# Altium PCB radxa_cm3s_io_board_V1510.PcbDoc (part 3 of 4) (continued)
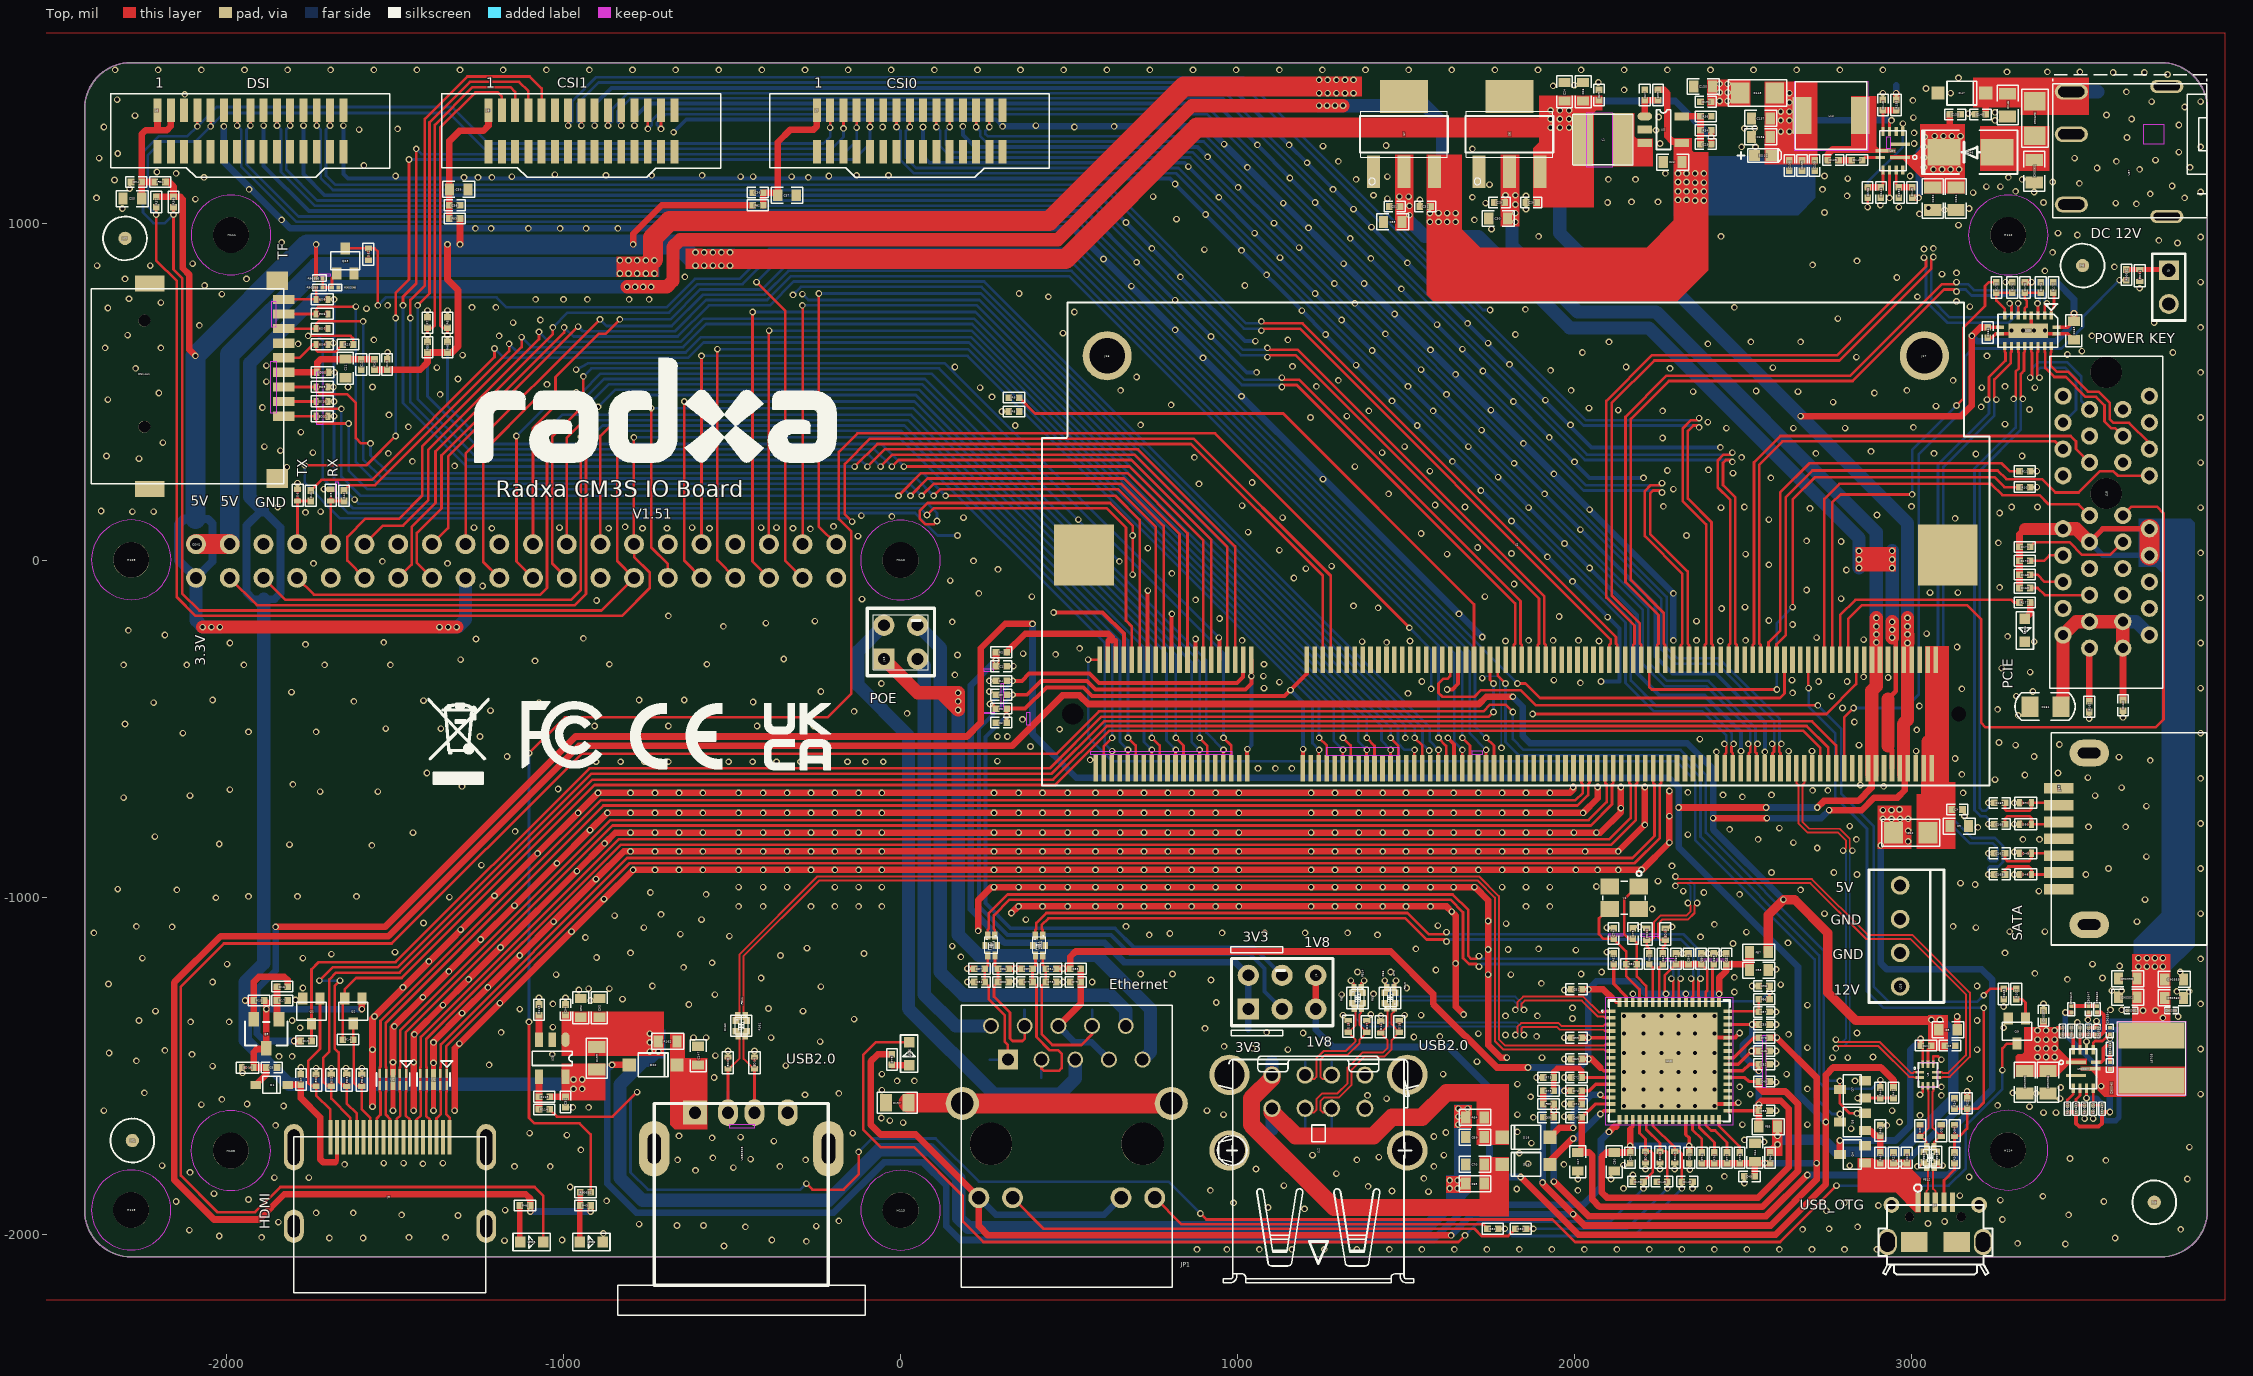
[diagram p0: Top view]
## Nets (pads, with @x,y where several pads share a name; then routed paths per layer and width w, separated by ;. In a path a pad name is that pad's centre, name@x,y a point inside that pad or via, vN(x,y) a via of type N, cw(c..) or ccw(c..) an arc to the next point about the centre after c; other vN are vias at no path point) (continued)
  Top w7.87: R107.1@3311.02,-1303.15 3328.74,-1303.15 3338.58,-1312.99 Q9.1@3338.58,-1360.24
N18131064: ED14.1 FB11.3 P11.1 R161.2 USB2503.3 | length 347.9
  Top w5.91: FB11.3@-460.63,-1411.42 -465.55,-1411.42 -465.55,-1480.31 -441.81,-1504.06 ED14.1@-433.07,-1509.84
  Top w7.87: FB11.3@-460.63,-1411.42 -460.63,-1402.78 -456.69,-1398.85 R161.2@-456.69,-1397.64 ; USB2503.3@-433.07,-1651.57 ED14.1@-433.07,-1509.84
  Bottom w7.87: USB2503.3@-433.07,-1651.57 P11.1@-433.07,-1578.74
N18131066: ED13.1 FB11.2 P10.1 R160.2 USB2503.2 | length 349.7
  Top w5.91: ED13.1@-511.81,-1509.84 -503.07,-1504.06 -478.35,-1479.33 -478.35,-1456.69 -478.35,-1413.39 -482.28,-1409.45 FB11.2@-482.28,-1411.42
  Top w7.87: USB2503.2@-511.81,-1651.57 ED13.1@-511.81,-1509.84 ; R160.2@-488.19,-1397.64 -482.28,-1403.54 -482.28,-1407.35 FB11.2@-482.28,-1411.42
  Bottom w7.87: USB2503.2@-511.81,-1651.57 P10.1@-511.81,-1578.74
N18133617: FB12.1 J4.3 P18.1 R19.1 | length 181.9
  Top w5.91: J4.3@3070.87,-1905.51 3070.87,-1872.05 3063.98,-1865.16 3063.98,-1802.84 FB12.1@3067.2,-1799.61 ; R19.1@3074.8,-1787.4 3070.87,-1791.34 3070.87,-1795.95 FB12.1@3067.2,-1799.61 ; v1(3092.52,-1797.24) 3086.56,-1800.98 3067.68,-1799.13 FB12.1@3067.2,-1799.61
  Top w7.87: FB12.1@3067.32,-1800.39 3085.97,-1800.39 v1@3086.56,-1800.98
  Bottom w5.91: P18.1@3088.58,-1789.37 P18.1@3092.52,-1791.34
  Bottom w7.87: v1(3092.52,-1797.24) P18.1@3092.52,-1791.34
N18193262: C90350.2 R90620.1 R90621.1 R90624.1 U90007.11 | length 191.6
  Top w7.87: U90007.11@3500,-1452.75 R90624.1@3500,-1407.48
  Top w11.81: R90624.1@3500,-1407.48 R90621.1@3525.59,-1407.48 C90350.2@3551.18,-1407.48 3562.99,-1407.48 3570.87,-1399.61 3570.87,-1350.39 3562.99,-1342.52 R90620.1@3551.18,-1342.52
N18193266: R90618.1 R90622.1 U90007.12 | length 73.3
  Top w9.84: R90622.1@3474.41,-1407.48 3480.31,-1413.38 U90007.12@3480.31,-1452.75
  Top w11.81: R90618.1@3448.82,-1407.48 R90622.1@3474.41,-1407.48
N18193316: C90347.2 R90619.1 R90620.2 | length 76.8
  Top w11.81: R90619.1@3474.41,-1322.83 C90347.2@3525.59,-1322.83 R90620.2@3551.18,-1322.83
N18193318: C90345.2 L8705.1 R90619.2 U90007.7 | length 280.3
  Top w11.81: v1(3456.69,-1342.52) R90619.2@3474.41,-1342.52
  Bottom w15.75: v1(3456.69,-1342.52) 3456.69,-1407.48 3562.99,-1513.78 v1(3562.99,-1561.02)
N18193332: R90616.2 U90007.8 | length 82.5
  Top w9.84: U90007.8@3547.24,-1490.15 3562.99,-1490.15 3568.89,-1484.25 3568.89,-1448.82 3576.77,-1440.94 R90616.2@3588.58,-1440.94
N18193336: C90345.1 R90616.1 | length 29.5
  Top w11.81: C90345.1@3588.58,-1490.16 R90616.1@3588.58,-1460.63
N18193602: R90625.2 U90007.3 | length 58.5
  Top w7.87: R90625.2@3462.6,-1618.11 3462.6,-1602.36 3480.31,-1584.65 U90007.3@3480.31,-1566.93
N18193630: R90626.2 R90627.2 U90007.6 | length 76.8
  Top w7.87: U90007.6@3539.37,-1566.93 R90626.2@3539.37,-1618.11 R90627.2@3564.96,-1618.11
N18193656: R90628.2 R90629.2 U90007.4 | length 81.7
  Top w7.87: U90007.4@3500,-1566.93 3500,-1588.58 3488.19,-1600.4 R90628.2@3488.19,-1618.11 R90629.2@3513.78,-1618.11
N18198457: Q23.1 R90396.1 R90398.1 R90399.2 | length 102.2
  Top w7.87: R90396.1@-1714.57,836.61 R90399.2@-1714.57,809.06 R90398.1@-1687.01,809.06 -1687.01,836.62 Q23.1@-1673.23,850.4
N18204497: C90361.1 D46.1 R90630.1
N18209917: ED21.1 J9.1 R90632.1 | length 126.8
  Top w15.75: R90632.1@3637.8,862.2 ED21.1@3677.17,862.2 3761.81,862.2 J9.1@3763.78,860.24
N18210283: LED3.1 R46.2 | length 108.7
  Top w15.75: R46.2@-1129.92,-1915.35 -1129.92,-2022.33 LED3.1@-1128.68,-2023.57
N18210289: LED2.1 R43.2 R90631.2 | length 147.9
  Top w15.75: LED2.1@-951.52,-2023.57 -951.52,-1916.08 R43.2@-950.79,-1915.35 R90631.2@-950.79,-1875.98
N18210610: LED4.1 R177.2 | length 55
  Top w19.68: LED4.1@3336.67,-174.47 3352.36,-158.77 R177.2@3352.36,-125.98
N19132698: C7.1 D1.2 J3.18 | length 409.3
  Top w7.87: J3.18@-1672.37,-1724.07 J3.18@-1672.37,-1712.26
  Top w11.81: -1678.27,-1787.4 -1672.37,-1781.5 J3.18@-1672.37,-1724.07
  Top w19.68: D1.2@-1818.9,-1557.09 C7.1@-1779.53,-1557.09 -1779.53,-1596.46 -1722.44,-1653.54 -1722.44,-1777.56 -1712.6,-1787.4 -1678.27,-1787.4
N19658373: CN14A1.5 ED8.1 R25.2 | length 218.1
  Top w7.87: CN14A1.5@-1830.09,600.39 -1783.46,600.39 -1744.09,639.76 ED8.1@-1734.25,639.76 -1734.25,624.02 -1728.35,618.11 -1677.17,618.11 R25.2@-1655.51,639.76
NFDX_LED: C150.1 ED17.1 LED1.2 U10.20 | length 3179.2
  Top w7.87: LED1.2@25.65,-1430.37 -72.83,-1430.37 -110.97,-1468.5 -110.97,-1690.21 -59.06,-1742.13 39.37,-1742.13 185.04,-1887.8 185.04,-1962.6 246.06,-2023.62 1655.51,-2023.62 v1(1675.2,-2003.94) ; U10.20@2192.92,-1659.74 2192.92,-1700.79 2210.63,-1718.5 ED17.1@2210.63,-1753.94 2226.38,-1753.94 2232.28,-1759.84 2232.28,-1816.93 C150.1@2204.72,-1844.49 v1(2204.72,-1864.17)
  Bottom w7.87: v1(1675.2,-2003.94) 1716.54,-1962.6 2106.3,-1962.6 v1(2204.72,-1864.17)
NLNKA_LED: C149.1 ED16.1 R80.1 U10.21 | length 709.9
  Top w7.87: R80.1@1856.3,-1984.25 v1(1877.95,-1984.25) ; U10.21@2212.6,-1659.74 2212.6,-1688.98 2253.94,-1730.32 ED16.1@2253.94,-1753.94 2271.65,-1753.94 2275.59,-1757.87 C149.1@2275.59,-1844.49 v1(2275.59,-1864.17)
  Bottom w7.87: v1(1877.95,-1984.25) 2155.51,-1984.25 v1(2275.59,-1864.17)
NSPD_LED: C148.1 ED15.1 R82.1 U10.22 | length 861.3
  Top w7.87: R82.1@1773.62,-1984.25 v1(1793.31,-1984.25) ; U10.22@2232.29,-1659.74 2232.29,-1677.17 2297.24,-1742.13 ED15.1@2297.24,-1753.94 2311.02,-1753.94 2318.9,-1761.81 C148.1@2318.9,-1844.49 v1(2318.9,-1864.17)
  Bottom w7.87: v1(1793.31,-1984.25) 1814.96,-2005.91 2177.17,-2005.91 v1(2318.9,-1864.17)
PCIE20_CLKREQN_M2: J2.160 J18.B12 | length 1663.6
  Top w7.87: J2.160@2599.61,-295.28 2599.61,-250 2627.17,-222.44 2627.17,187.01 2705.91,265.75 3255.91,265.75 3281.5,240.16 3387.8,240.16 3427.17,200.79 3496.06,200.79 3559.06,263.78 3598.82,263.78 3612.2,250.39 J18.B12@3705.91,250.39
PCIE20_PERSTN: J2.172 J18.A11 | length 1321.5
  Top w7.87: J2.172@2741.34,-295.28 2741.34,181.1 2786.61,226.38 3236.22,226.38 3269.69,192.91 3379.92,192.91 3407.48,165.35 3495.67,165.35 J18.A11@3528.74,132.28
PCIE20_REFCLKN: J2.156 J18.A14 | length 1520
  Top w7.87: J2.156@2552.36,-295.28 2552.36,-251.97 2548.43,-248.03 2548.43,283.35 2617.43,352.36 3426.77,352.36 J18.A14@3450,329.13
PCIE20_REFCLKP: J2.154 J18.A13 | length 1660.6
  Top w7.87: J2.154@2528.74,-295.28 2528.74,-251.97 2532.68,-248.03 2532.68,289.88 2610.91,368.11 3472.44,368.11 3488.19,352.36 3488.19,330.32 J18.A13@3528.74,289.76
PCIE20_RXN: J2.126 U39.7 | length 2409
  Top w7.87: J2.126@2198.03,-295.28 2198.03,-251.97 2194.09,-248.03 2194.09,-188.19 2110.24,-104.33 2110.24,465.92 2236.84,592.52 2786.73,592.52 3059.06,864.85 3059.06,893.7 v1(3064.96,899.61) ; v1(3291.34,761.81) 3296.85,756.3 U39.7@3296.85,725.98
  Bottom w7.87: v1(3064.96,899.61) 3059.06,893.7 3059.06,774.24 3112.82,720.47 3281.5,720.47 3296.26,735.24 3296.26,756.89 v1(3291.34,761.81)
PCIE20_RXN_1: J18.A17 U39.15 | length 405.6
  Top w7.87: v1(3352.36,541.34) 3357.87,546.85 3357.87,616.14 3355.91,618.11 U39.15@3355.91,635.43
  Bottom w7.87: v1(3352.36,541.34) 3358.27,547.24 3358.27,568.9 3375.98,586.61 3462.6,586.61 3503.94,545.28 3503.94,472.05 J18.A17@3528.74,447.24
PCIE20_RXP: J2.124 U39.6 | length 2455.9
  Top w7.87: J2.124@2174.41,-295.28 2174.41,-251.97 2178.35,-248.03 2178.35,-194.71 2094.49,-110.85 2094.49,472.44 2230.32,608.27 2780.2,608.27 3043.31,871.37 3043.31,891.73 v1(3037.4,897.64) ; U39.6@3316.54,725.98 3316.54,761.42 v1(3316.93,761.81)
  Bottom w7.87: v1(3037.4,897.64) 3043.31,891.73 3043.31,767.72 3106.3,704.72 3289.37,704.72 3312.01,727.36 3312.01,756.89 v1(3316.93,761.81)
PCIE20_RXP_1: J18.A16 U39.16 | length 398.7
  Top w7.87: U39.16@3375.59,635.43 3375.59,618.11 3373.62,616.14 3373.62,547.64 v1(3379.92,541.34)
  Bottom w7.87: v1(3379.92,541.34) 3374.02,547.24 3374.02,562.37 3382.51,570.87 3456.08,570.87 3488.19,538.75 3488.19,446.06 J18.A16@3450,407.87
PCIE20_TXN: J2.132 U39.3 | length 2199.2
  Top w7.87: J2.132@2268.9,-295.28 2268.9,-251.97 2264.96,-248.03 2264.96,-156.69 2167.32,-59.06 2167.32,418.67 2280.15,531.5 2825.42,531.5 3097.07,803.15 3127.95,803.15 v1(3133.86,797.24) ; v1(3374.02,761.81) 3375.59,760.24 U39.3@3375.59,725.98
  Bottom w7.87: v1(3133.86,797.24) 3139.76,803.15 3160.8,803.15 3178.52,785.43 3374.02,785.43 3379.92,779.53 3379.92,767.72 v1(3374.02,761.81)
PCIE20_TXN_1: J18.B15 U39.17 | length 407.6
  Top w7.87: U39.17@3395.28,635.43 3395.28,618.11 3397.24,616.14 3397.24,570.25 3424.19,543.31 3458.04,543.31 3517.1,484.25 3547.92,484.25 3572.83,459.34 3572.83,411.42 3592.52,391.73 3603.94,391.73 J18.B15@3627.17,368.5
PCIE20_TXP: J2.130 U39.2 | length 2258.2
  Top w7.87: J2.130@2245.28,-295.28 2245.28,-251.97 2249.21,-248.03 2249.21,-163.22 2151.57,-65.58 2151.57,425.2 2273.62,547.24 2818.9,547.24 3090.55,818.9 3127.95,818.9 v1(3133.86,824.8) ; U39.2@3395.28,725.98 3395.28,755.91 3403.15,761.81 v1(3401.57,761.81)
  Bottom w7.87: v1(3133.86,824.8) 3139.76,818.9 3167.32,818.9 3185.04,801.18 3383.86,801.18 3395.67,789.37 3395.67,767.72 v1(3401.57,761.81)
PCIE20_TXP_1: J18.B14 U39.18 | length 493.6
  Top w7.87: U39.18@3414.96,635.43 3414.96,618.11 3412.99,616.14 3412.99,576.77 3430.71,559.06 3464.57,559.06 3523.62,500 3554.44,500 3588.58,465.86 3588.58,417.94 3599.04,407.48 3645.67,407.48 3705.91,347.24 J18.B14@3705.91,329.13
PCIE20_WAKEN_M2: J2.178 J18.B11 | length 2164.1
  Top w7.87: J2.178@2812.2,-295.28 2812.2,-175.2 2853.54,-133.86 3165.35,-133.86 3206.69,-175.2 3206.69,-482.28 3220.47,-496.06 3724.41,-496.06 3748.03,-472.44 3748.03,138.98 3728.35,158.66 3653.54,158.66 J18.B11@3627.17,132.28
PCIE_EN_L: J2.174 R175.1 | length 1459
  Top w7.87: J2.174@2764.96,-295.28 2764.96,170.47 2789.37,194.88 v1(3001.97,194.88) ; v1(3133.86,458.66) 3153.54,478.35 3153.54,688.98 3218.5,753.94 3218.5,812.99 3230.31,824.8 R175.1@3251.97,824.8
  Bottom w7.87: v1(3001.97,194.88) 3001.97,326.77 v1(3133.86,458.66)
PDM_CLK1_M1: CON1.15 J2.75 | length 4272
  Top w7.87: CON1.15@-1390.55,-52.76 -1435.04,-8.27 -1435.04,80.71 -1362.2,153.54 -1362.2,311.02 -998.03,675.2 v1(-998.03,690.94) ; J2.75@1595.67,-618.11 1595.67,-563.78 v1(1596.46,-562.99)
  Bottom w7.87: v1(-998.03,690.94) -970.47,663.39 -661.42,663.39 -568.9,755.91 -387.8,755.91 -316.93,826.77 248.03,826.77 1570.87,-496.06 1570.87,-537.4 v1(1596.46,-562.99)
PDM_SDI2_M1: CON1.36 J2.57 | length 3019.8
  Top w7.87: CON1.36@-390.55,47.24 -390.55,677.17 v1(-389.76,681.1) ; J2.57@1383.07,-618.11 1383.07,-563.78 v1(1383.86,-562.99)
  Bottom w7.87: v1(-389.76,681.1) 210.63,681.1 1358.27,-466.54 1358.27,-537.4 v1(1383.86,-562.99)
PDM_SDI3_M1: CON1.11 J2.59 | length 4199.5
  Top w7.87: CON1.11@-1590.55,-52.76 -1641.73,-1.57 -1641.73,68.9 -1587.6,123.03 -1487.2,123.03 -1419.29,190.94 -1419.29,336.61 -1124.02,631.89 v1(-1124.02,661.42) ; v1(1383.86,-527.56) 1383.86,-528.35 1406.69,-551.18 J2.59@1406.69,-618.11
  Bottom w7.87: v1(-1124.02,661.42) -1094.49,631.89 -645.67,631.89 -576.77,700.79 212.6,700.79 1383.86,-470.47 v1(1383.86,-527.56)
PHY_3V3: C44.1 C45.1 C46.1 FB4.2 JP1.11 JP1.13 R70.2 R72.1 R74.2 R76.2 R77.2 R78.2 R79.1 U10.40 | length 5412.8
  Top w7.87: C44.1@2535.43,-1785.43 2535.43,-1789.26 C44.1@2535.55,-1789.37
  Top w9.84: U10.40@2455.02,-1496.06 2486.22,-1496.06 v1(2525.59,-1456.69)
  Top w19.68: R79.1@-25.59,-1466.54 -66.93,-1466.54 -88.58,-1488.19 -88.58,-1675.2 -59.06,-1704.72 45.08,-1704.72 JP1.11@232.48,-1892.13 232.48,-1976.57 259.84,-2003.94 v1(1633.86,-2003.94) ; v1(1905.51,-1846.46) 1905.51,-1850.39 v1(1996.06,-1940.94) 2029.53,-1974.41 2582.68,-1974.41 2718.5,-1838.58 v1(2718.5,-1789.37) 2718.5,-1535.43 v1(2600.39,-1417.32) R70.2@2578.74,-1417.32 ; v1(1970.47,-1574.8) R72.1@1990.16,-1574.8 ; R74.2@2377.95,-1789.37 R76.2@2415.35,-1789.37 R78.2@2490.16,-1789.37 ; R77.2@2452.76,-1789.37 R78.2@2490.16,-1789.37 ; v1(2525.59,-1456.69) C46.1@2547.24,-1456.69 ; C45.1@2535.43,-1828.74 2535.43,-1789.48 C44.1@2535.55,-1789.37 ; FB4.2@2580.71,-1789.37 v1(2564.96,-1789.37) C44.1@2535.55,-1789.37 ; R78.2@2490.16,-1789.37 C44.1@2535.55,-1789.37
  Bottom w19.68: JP1.11@232.48,-1892.13 283.27,-1942.91 603.74,-1942.91 JP1.13@654.53,-1892.13 ; v1(1633.86,-2003.94) 1696.85,-1940.94 v1(1996.06,-1940.94) ; v1(1905.51,-1846.46) 1905.51,-1602.36 1933.07,-1574.8 v1(1970.47,-1574.8) ; v1(2525.59,-1456.69) 2564.96,-1417.32 v1(2600.39,-1417.32) ; v1(2564.96,-1789.37) v1(2718.5,-1789.37)
PHY_RXN: C78.1 FB10.3 JP1.6 R84.2 TP21.1 | length 544.8
  Top w7.87: FB10.3@422.24,-1172.83 422.24,-1201.77 431.1,-1210.63 R84.2@431.1,-1212.6 C78.1@431.1,-1248.03 ; C78.1@431.1,-1251.97 C78.1@431.1,-1248.03 ; JP1.6@568.5,-1382.28 568.5,-1407.09 536.61,-1438.98 450.79,-1438.98 419.29,-1407.48 419.29,-1261.81 431.1,-1250 C78.1@431.1,-1248.03
  Bottom w7.87: JP1.6@568.5,-1382.28 568.5,-1407.09 568.5,-1375.98 568.9,-1375.59 TP21.1@568.9,-1334.65
PHY_RXP: C79.1 FB10.2 JP1.3 R85.2 TP20.1 | length 537.3
  Top w7.87: C79.1@391.73,-1251.97 C79.1@392.72,-1250.98 ; FB10.2@400.59,-1172.83 400.59,-1203.74 R85.2@391.73,-1212.6 391.73,-1250 C79.1@392.72,-1250.98 ; JP1.3@418.5,-1482.28 418.5,-1509.06 425.2,-1515.75 470.47,-1515.75 478.35,-1507.87 478.35,-1464.57 468.5,-1454.72 442.91,-1454.72 403.54,-1415.35 403.54,-1261.81 C79.1@392.72,-1250.98
  Bottom w7.87: TP20.1@417.32,-1535.43 417.32,-1508.27 418.5,-1507.09 JP1.3@418.5,-1482.28
PHY_TXN: C80.1 FB9.3 JP1.2 R86.2 TP19.1 | length 460.1
  Top w7.87: FB9.3@280.51,-1172.83 280.51,-1203.74 R86.2@289.37,-1212.6 C80.1@289.37,-1251.97 277.56,-1263.78 277.56,-1295.28 324.8,-1342.52 324.8,-1419.29 332.68,-1427.17 362.2,-1427.17 368.5,-1420.87 JP1.2@368.5,-1382.28
  Bottom w7.87: TP19.1@368.11,-1334.65 368.11,-1406.69 368.5,-1407.09 JP1.2@368.5,-1382.28
PHY_TXP: C81.1 FB9.2 JP1.1 R87.2 TP18.1 | length 394.1
  Top w7.87: FB9.2@258.86,-1172.83 258.86,-1203.74 R87.2@250,-1212.6 C81.1@250,-1251.97 261.81,-1263.78 261.81,-1303.15 309.06,-1350.39 309.06,-1429.13 318.5,-1438.98 JP1.1@318.5,-1482.28
  Bottom w7.87: TP18.1@265.75,-1482.28 JP1.1@318.5,-1482.28
PMW0_M0: CON1.32 J2.45 | length 3005.3
  Top w7.87: CON1.32@-590.55,47.24 v1(-590.55,606.3) ; J2.45@1241.34,-618.11 1241.34,-563.78 v1(1242.13,-562.99)
  Bottom w7.87: v1(-590.55,606.3) 198.82,606.3 1222.44,-417.32 1222.44,-543.31 v1(1242.13,-562.99)
PMW0_M1: J2.84 R9.2 | length 1767.9
  Top w7.87: R9.2@352.36,482.28 399.61,435.04 1135.83,435.04 1701.97,-131.1 J2.84@1701.97,-295.28
POWER2: C69.1 D18.2 J12.1 R64.2 TP14.1 | length 913.8
  Top w7.87: C69.1@1732.28,-1712.6 1732.28,-1702.76 1755.91,-1679.13
  Top w51.18: J12.1@1102.36,-1638.58 1172.44,-1708.66 1403.54,-1708.66 1458.66,-1653.54 1547.24,-1653.54 1620.08,-1580.71 1732.28,-1580.71 1755.91,-1604.33 1755.91,-1679.13
  Bottom w39.37: TP14.1@1102.36,-1688.98 J12.1@1102.36,-1638.58
POWER3: C70.1 D19.2 J12.5 R65.2 TP15.1 | length 1178.8
  Top w7.87: 1744.09,-1822.83 1773.62,-1793.31 D19.2@1785.43,-1793.31
  Top w51.18: J12.5@1102.36,-1528.35 1102.36,-1537.4 1041.34,-1598.43 1041.34,-1675.2 1287.4,-1921.26 1744.09,-1921.26 1744.09,-1822.83
  Bottom w39.37: J12.5@1102.36,-1540.16 TP15.1@1102.36,-1490.16
POWER4: C147.2 D20.2 P9.1 R162.1 USB2503.1 | length 84.6
  Bottom w39.37: USB2503.1@-610.24,-1639.76 -610.24,-1651.57 P9.1@-610.24,-1578.74
PRTCTL2: D18.1 U10.14 | length 261.6
  Top w9.84: v1(2076.77,-1586.61) 2084.65,-1594.49 U10.14@2107.98,-1594.49
  Top w19.68: D18.1@1927.17,-1712.6 1954.73,-1685.04 v1(1996.06,-1685.04)
  Bottom w19.68: v1(1996.06,-1685.04) 1996.06,-1641.73 2051.18,-1586.61 v1(2076.77,-1586.61)
PRTCTL3: D19.1 U10.16 | length 252.6
  Top w9.84: v1(2076.77,-1643.7) 2086.61,-1633.86 U10.16@2107.98,-1633.86
  Top w19.68: D19.1@1927.17,-1793.31 1927.17,-1783.46 1994.09,-1716.54 v1(1996.06,-1716.54)
  Bottom w19.68: v1(1996.06,-1716.54) 2003.94,-1716.54 v1(2076.77,-1643.7)
PRTCTL4: D20.1 U10.17 | length 3913.7
  Top w9.84: 2124.02,-1681.1 2133.86,-1671.26 U10.17@2133.86,-1659.74
  Top w19.68: v1(-856.3,-1498.03) D20.1@-805.12,-1498.03 ; v1(2102.36,-1696.85) 2118.11,-1681.1 2124.02,-1681.1
  Bottom w19.68: v1(-856.3,-1498.03) -870.08,-1511.81 -870.08,-1850.39 -783.46,-1937.01 -198.82,-1937.01 -49.21,-1787.4 66.93,-1787.4 135.83,-1856.3 135.83,-1976.38 177.17,-2017.72 1580.71,-2017.72 1685.04,-1913.39 2025.59,-1913.39 2078.74,-1860.24 2078.74,-1720.47 v1(2102.36,-1696.85)
PWM11: CON1.33 J2.47 | length 3129.6
  Top w7.87: v1(-543.31,625.98) -543.31,0 CON1.33@-490.55,-52.76 ; v1(1242.13,-527.56) 1264.96,-550.39 J2.47@1264.96,-618.11
  Bottom w7.87: v1(-543.31,625.98) 200.79,625.98 1242.13,-415.35 v1(1242.13,-527.56)
PWRON_KEY: J2.177 R90632.2 | length 2051
  Top w7.87: J2.177@2800.39,-618.11 2800.39,-466.54 2827.95,-438.98 v1(2828.74,-438.98) ; v1(3618.11,830.71) R90632.2@3637.8,830.71
  Bottom w7.87: v1(2828.74,-438.98) 2982.28,-438.98 3021.65,-399.61 3021.65,312.99 3159.45,450.79 3159.45,604.33 3183.07,627.95 3444.88,627.95 3509.84,692.91 3509.84,722.44 v1(3618.11,830.71)
RECOVERY: J2.2 P21.1 Q8.3 | length 3348.1
  Top w7.87: v1(557.09,-295.28) J2.2@591.73,-295.28 ; Q8.3@2787.4,-1667.32 v1(2787.4,-1643.7)
  Bottom w7.87: v1(557.09,-295.28) 557.09,-525.59 627.95,-596.46 2301.18,-596.46 2358.27,-653.54 2358.27,-830.71 2712.6,-1185.04 2712.6,-1592.52 2763.78,-1643.7 v1(2787.4,-1643.7) P21.1@2787.4,-1667.32
RJ45_5: J13.2 JP1.5 | length 1906.6
  Bottom w39.37: J13.2@-49.21,-193.31 -125.98,-270.08 -125.98,-372.05 23.62,-521.65 23.62,-1330.71 277.56,-1584.65 472.44,-1584.65 518.5,-1538.58 JP1.5@518.5,-1482.28
RJ45_8: J13.1 JP1.8 | length 1700.8
  Bottom w39.37: J13.1@50.79,-193.31 118.11,-260.63 118.11,-1222.44 187.01,-1291.34 624.02,-1291.34 668.5,-1335.83 JP1.8@668.5,-1382.28
RXN: FB10.4 U10.53 | length 2176.7
  Top w7.87: FB10.4@421.85,-1114.57 421.85,-1097.44 418.9,-1094.49 418.9,-1083.29 439.2,-1062.99 1498.03,-1062.99 1561.02,-1125.98 1614.17,-1125.98 v1(1620.08,-1131.89) ; v1(2346.46,-1242.13) 2352.36,-1248.03 2352.36,-1293.31 2350.4,-1295.28 U10.53@2350.4,-1312.7
  Bottom w7.87: v1(1620.08,-1131.89) 1625.98,-1125.98 2316.31,-1125.98 2352.36,-1162.03 2352.36,-1236.22 v1(2346.46,-1242.13)
RXP: FB10.1 U10.52 | length 2228.8
  Top w7.87: FB10.1@400.2,-1114.57 400.2,-1097.44 403.15,-1094.49 403.15,-1076.77 432.68,-1047.24 1504.55,-1047.24 1567.55,-1110.24 1614.17,-1110.24 v1(1620.08,-1104.33) ; U10.52@2370.08,-1312.7 2370.08,-1295.28 2368.11,-1293.31 2368.11,-1248.03 v1(2374.02,-1242.13)
  Bottom w7.87: v1(1620.08,-1104.33) 1625.98,-1110.24 2322.83,-1110.24 2368.11,-1155.51 2368.11,-1236.22 v1(2374.02,-1242.13)
SATA1_ACT_LED: J2.176 R177.1 | length 686.2
  Top w7.87: J2.176@2788.58,-295.28 2788.58,-163.39 2833.86,-118.11 3297.24,-118.11 3305.12,-125.98 R177.1@3320.87,-125.98
SATA1_RXN: C167.1 U39.11 | length 1794
  Top w7.87: v1(3224.41,476.38) 3230.32,482.28 3230.32,543.03 3279.13,591.84 3279.13,616.14 3277.17,618.11 U39.11@3277.17,635.43 ; v1(3228.35,-870.08) C167.1@3246.06,-870.08
  Bottom w7.87: v1(3224.41,476.38) 3230.32,470.47 3230.32,435.04 3078.74,283.46 3078.74,-746.06 3173.23,-840.55 3241.51,-840.55 3255.91,-854.95 3255.91,-889.15 3251.35,-893.7 3234.25,-893.7 3228.35,-887.8 v1(3228.35,-870.08)
SATA1_RXP: C168.1 U39.12 | length 1821.2
  Top w7.87: v1(3228.35,-933.07) C168.1@3246.06,-933.07 ; v1(3251.97,476.38) 3246.06,482.28 3246.06,536.5 3294.88,585.32 3294.88,616.14 3296.85,618.11 U39.12@3296.85,635.43
  Bottom w7.87: v1(3228.35,-933.07) 3228.35,-913.39 3232.28,-909.45 3257.87,-909.45 3271.65,-895.67 3271.65,-848.43 3248.03,-824.8 3179.75,-824.8 3094.49,-739.54 3094.49,276.94 3246.06,428.52 3246.06,470.47 v1(3251.97,476.38)
SATA1_TXN: C166.1 U39.13 | length 1523.1
  Top w7.87: v1(3228.35,-783.46) C166.1@3246.06,-783.46 ; v1(3303.15,478.35) 3309.06,484.25 3309.06,559.45 3318.5,568.9 3318.5,616.14 3316.54,618.11 U39.13@3316.54,635.43
  Bottom w7.87: v1(3228.35,-783.46) 3228.35,-767.72 3220.47,-759.84 3204.72,-759.84 3187.01,-742.13 3187.01,271.65 3309.06,393.7 3309.06,472.44 v1(3303.15,478.35)
SATA1_TXP: C165.1 U39.14 | length 1497
  Top w7.87: v1(3228.35,-720.47) C165.1@3246.06,-720.47 ; v1(3330.71,478.35) 3324.8,484.25 3324.8,552.93 3334.25,562.37 3334.25,616.14 3336.22,618.11 U39.14@3336.22,635.43
  Bottom w7.87: v1(3228.35,-720.47) 3228.35,-736.22 3220.47,-744.09 3211.25,-744.09 3202.76,-735.6 3202.76,265.13 3324.8,387.18 3324.8,472.44 v1(3330.71,478.35)
SDMMC0_CLK: J2.10 R25.1 | length 3471.4
  Top w7.87: v1(-1757.87,665.35) -1631.89,665.35 -1624.02,657.48 R25.1@-1624.02,639.76 ; v1(78.74,133.86) 98.43,153.54 612.2,153.54 669.29,96.46 669.29,-179.92 686.22,-196.85 J2.10@686.22,-295.28
  Bottom w7.87: v1(-1757.87,665.35) -1728.35,665.35 -1714.57,651.57 -1714.57,244.09 -1624.02,153.54 59.06,153.54 v1(78.74,133.86)
SDMMC0_CMD: CN14A1.3 ED9.1 J2.12 | length 3205.3
  Top w7.87: CN14A1.3@-1830.09,513.78 ED9.1@-1734.25,513.78 -1734.25,503.94 -1722.44,492.13 -1641.73,492.13 -1616.14,466.54 -1616.14,362.2 -1600.39,346.46 v1(-1572.83,346.46) ; v1(133.86,190.94) 637.8,190.94 709.84,118.9 J2.12@709.84,-295.28
  Bottom w7.87: v1(-1572.83,346.46) -1572.83,311.02 -1519.68,257.87 66.93,257.87 v1(133.86,190.94)
SDMMC0_D0: CN14A1.7 ED7.1 J2.16 | length 3507.3
  Top w7.87: CN14A1.7@-1830.09,687.01 ED7.1@-1734.25,687.01 -1734.25,700.79 -1726.38,708.66 v1(-1594.49,708.66) ; v1(98.43,190.94) 118.11,210.63 645.67,210.63 757.09,99.21 J2.16@757.09,-295.28
  Bottom w7.87: v1(-1594.49,708.66) -1594.49,299.21 -1537.4,242.13 47.24,242.13 v1(98.43,190.94)
SDMMC0_D1: CN14A1.8 ED6.1 J2.18 | length 3593.1
  Top w7.87: CN14A1.8@-1830.09,730.32 ED6.1@-1734.25,730.32 -1734.25,744.09 -1726.38,751.97 v1(-1616.14,751.97) ; v1(62.99,190.94) 98.43,226.38 655.51,226.38 780.71,101.18 J2.18@780.71,-295.28
  Bottom w7.87: v1(-1616.14,751.97) -1616.14,291.34 -1551.18,226.38 27.56,226.38 v1(62.99,190.94)
SDMMC0_D2: CN14A1.1 ED11.1 J2.22 | length 3309.2
  Top w7.87: CN14A1.1@-1830.09,427.17 ED11.1@-1734.25,427.17 -1734.25,411.42 -1728.35,405.51 v1(-1637.8,405.51) ; v1(29.53,190.94) 80.71,242.13 663.39,242.13 827.95,77.56 J2.22@827.95,-295.28
  Bottom w7.87: v1(-1637.8,405.51) -1637.8,265.75 -1582.68,210.63 9.84,210.63 v1(29.53,190.94)
SDMMC0_D3: CN14A1.2 ED10.1 J2.24 | length 3399.5
  Top w7.87: CN14A1.2@-1830.09,470.47 ED10.1@-1734.25,470.47 -1734.25,456.69 -1726.38,448.82 v1(-1659.45,448.82) ; v1(-5.91,190.94) 61.02,257.87 673.23,257.87 851.57,79.53 J2.24@851.57,-295.28
  Bottom w7.87: v1(-1659.45,448.82) -1659.45,248.03 -1602.36,190.94 v1(-5.91,190.94)
SDMMC0_DET_L: CN14A1.9 ED5.1 R90399.1 | length 131.3
  Top w7.87: CN14A1.9@-1830.09,773.62 ED5.1@-1734.25,773.62 R90399.1@-1734.25,809.06
SPI0_CS1_M0: CON1.16 J2.77 | length 4279.7
  Top w7.87: CON1.16@-1390.55,47.24 -1342.52,95.28 -1342.52,307.09 v1(-956.69,692.91) ; v1(1596.46,-527.56) 1596.46,-528.35 1619.29,-551.18 J2.77@1619.29,-618.11
  Bottom w7.87: v1(-956.69,692.91) -942.91,679.13 -669.29,679.13 -576.77,771.65 -395.67,771.65 -324.8,842.52 500,842.52 1596.46,-253.94 v1(1596.46,-527.56)
SPI0_CSO_MO: CON1.18 J2.81 | length 4264.9
  Top w7.87: CON1.18@-1290.55,47.24 -1290.55,315.75 v1(-891.73,714.57) ; J2.81@1666.54,-618.11 1666.54,-563.78 v1(1667.32,-562.99)
  Bottom w7.87: v1(-891.73,714.57) -872.05,694.88 -679.13,694.88 -586.61,787.4 -403.54,787.4 -332.68,858.27 507.87,858.27 1643.7,-277.56 1643.7,-539.37 v1(1667.32,-562.99)
SPI0_MISO_MO: CON1.22 J2.83 | length 4181.5
  Top w7.87: CON1.22@-1090.55,47.24 -1090.55,391.73 -1023.62,458.66 -1023.62,543.31 -895.67,671.26 -875.98,671.26 v1(-832.68,714.57) ; v1(1667.32,-527.56) 1690.16,-550.39 J2.83@1690.16,-618.11
  Bottom w7.87: v1(-832.68,714.57) -683.07,714.57 -594.49,803.15 -411.42,803.15 -338.58,875.98 515.75,875.98 1667.32,-275.59 v1(1667.32,-527.56)
SPI1_CLK_M1: CON1.40 J2.71 | length 3197.9
  Top w7.87: v1(-242.13,791.34) -242.13,98.82 CON1.40@-190.55,47.24 ; v1(1525.59,-527.56) 1548.43,-550.39 J2.71@1548.43,-618.11
  Bottom w7.87: v1(-242.13,791.34) 238.19,791.34 1525.59,-496.06 v1(1525.59,-527.56)
SPI1_CS0_M1: CON1.12 J2.63 | length 4058.1
  Top w7.87: CON1.12@-1590.55,47.24 -1535.43,102.36 -1476.38,102.36 -1401.57,177.17 -1401.57,326.77 -1072.83,655.51 v1(-1072.83,677.17) ; J2.63@1453.94,-618.11 1453.94,-563.78 v1(1454.72,-562.99)
  Bottom w7.87: v1(-1072.83,677.17) -1043.31,647.64 -653.54,647.64 -584.65,716.54 218.5,716.54 1427.17,-492.13 1427.17,-535.43 v1(1454.72,-562.99)
SPI1_MISO_M1: CON1.35 J2.65 | length 3344.7
  Top w7.87: v1(-438.98,736.22) -438.98,-4.33 CON1.35@-390.55,-52.76 ; v1(1454.72,-527.56) 1454.72,-528.35 1477.56,-551.18 J2.65@1477.56,-618.11
  Bottom w7.87: v1(-438.98,736.22) 222.44,736.22 1454.72,-496.06 v1(1454.72,-527.56)
SPI1_MOSI_M1: CON1.38 J2.69 | length 3156.5
  Top w7.87: v1(-291.34,755.91) -290.55,755.12 CON1.38@-290.55,47.24 ; J2.69@1524.8,-618.11 1524.8,-563.78 v1(1525.59,-562.99)
  Bottom w7.87: v1(-291.34,755.91) 226.38,755.91 1476.38,-494.09 1476.38,-543.31 1496.06,-562.99 v1(1525.59,-562.99)
SPI3_CLK_M0: CON1.23 J2.35 | length 3265.3
  Top w7.87: CON1.23@-990.55,-52.76 -1033.46,-9.84 -1033.46,366.14 -940.94,458.66 v1(-940.94,545.28) ; v1(958.66,-527.56) 981.5,-550.39 J2.35@981.5,-618.11
  Bottom w7.87: v1(-940.94,545.28) -917.32,568.9 114.17,568.9 958.66,-275.59 v1(958.66,-527.56)
SPI3_CSO_M0: CON1.24 J2.27 | length 2889.2
  Top w7.87: CON1.24@-990.55,47.24 -990.55,361.81 v1(-897.64,454.72) ; J2.27@887.01,-618.11 887.01,-563.78 v1(887.8,-562.99)
  Bottom w7.87: v1(-897.64,454.72) -846.46,505.91 55.12,505.91 864.17,-303.15 864.17,-539.37 v1(887.8,-562.99)
SPI3_MISO_M0: CON1.21 J2.29 | length 3199.6
  Top w7.87: v1(-1139.76,368.11) -1139.76,-3.54 CON1.21@-1090.55,-52.76 ; v1(887.8,-527.56) 887.8,-528.35 910.63,-551.18 J2.29@910.63,-618.11
  Bottom w7.87: v1(-1139.76,368.11) -1055.12,452.76 -935.04,452.76 -866.14,521.65 64.96,521.65 887.8,-301.18 v1(887.8,-527.56)
SPI3_MOSI_M0: CON1.19 J2.33 | length 3318
  Top w7.87: CON1.19@-1190.55,-52.76 -1238.19,-5.12 -1238.19,322.83 -1084.65,476.38 v1(-1064.96,476.38) ; J2.33@957.87,-618.11 957.87,-563.78 v1(958.66,-562.99)
  Bottom w7.87: v1(-1064.96,476.38) -940.94,476.38 -879.92,537.4 72.83,537.4 907.48,-297.24 907.48,-511.81 v1(958.66,-562.99)